# Allegro board 8880F5-0827_txbegin.brd (continued)
## Routing (per net, layer and track width the routed paths; a pad name or vN(x,y) marks a point on that pad's centre or on a via; arc(x,y) is an arc through that point) (continued)
; D123.A14 266.7,56.69 ; D123.A14 266.7,55.07 ; D123.A14 265.89,55.88 ; D431.B8 182.88,379.27 ; D431.B8 182.88,377.65 ; D431.B8 182.07,378.46 ; D431.B8 183.69,378.46 ; D306.B11 407.11,68.58 ; D306.B11 406.4,69.29 ; D306.B11 405.69,68.58 ; D306.B11 406.4,67.87 ; 261.62,75.39 D122.A12 ; D122.A12 262.43,76.2 ; D122.A12 261.62,77.01 ; D122.A12 260.81,76.2 ; 243.13,63.5 D322.A5 ; D322.A5 243.84,62.79 ; D322.A5 243.84,64.21 ; D322.A5 244.55,63.5 ; CSDPS225.B6 261.62,333.55 ; CSDPS225.B6 262.43,332.74 ; CSDPS225.B6 260.81,332.74 ; CSDPS225.B6 261.62,331.93 ; SITE3.G20 252.63,186.91 ; SITE3.G20 252.15,186.43 ; SITE3.G20 252.63,185.95 ; SITE3.G20 253.11,186.43 ; 195.58,57.61 D119.B15 ; D119.B15 195.58,59.23 ; D119.B15 196.39,58.42 ; D119.B15 194.77,58.42 ; 270.97,60.96 D123.B16 ; D123.B16 271.78,60.15 ; D123.B16 272.59,60.96 ; D123.B16 271.78,61.77 ; D321.B7 249.63,88.9 ; D321.B7 248.21,88.9 ; D321.B7 248.92,89.61 ; D321.B7 248.92,88.19 ; D104.B16 345.44,41.45 ; D104.B16 344.63,40.64 ; D104.B16 345.44,39.83 ; D104.B16 346.25,40.64 ; D302.A1 308.05,63.5 ; D302.A1 307.34,62.79 ; D302.A1 307.34,64.21 ; D302.A1 306.63,63.5 ; D103.A3 313.23,53.34 ; D103.A3 312.42,52.53 ; D103.A3 311.61,53.34 ; D103.A3 312.42,54.15 ; SITE4.G19 331.91,186.43 ; SITE4.G19 330.95,186.43 ; SITE4.G19 331.43,185.95 ; SITE4.G19 331.43,186.91 ; D114.B14 314.96,348.79 ; D114.B14 315.77,347.98 ; D114.B14 314.96,347.17 ; D114.B14 314.15,347.98 ; D109.A13 391.16,336.09 ; D109.A13 391.97,335.28 ; D109.A13 390.35,335.28 ; D109.A13 391.16,334.47 ; 184.61,33.02 D120.A11 ; D120.A11 185.42,33.83 ; D120.A11 185.42,32.21 ; D120.A11 186.23,33.02 ; D118.B10 183.69,81.28 ; D118.B10 182.88,80.47 ; D118.B10 182.88,82.09 ; D118.B10 182.07,81.28 ; D107.B3 386.89,58.42 ; D107.B3 385.27,58.42 ; D107.B3 386.08,57.61 ; D107.B3 386.08,59.23 ; D129.A5 97.33,93.98 ; D129.A5 96.52,93.17 ; D129.A5 95.71,93.98 ; D129.A5 96.52,94.79 ; D116.A6 336.09,393.7 ; D116.A6 334.47,393.7 ; D116.A6 335.28,394.51 ; D116.A6 335.28,392.89 ; 101.6,52.53 D131.A7 ; D131.A7 102.41,53.34 ; D131.A7 100.79,53.34 ; D131.A7 101.6,54.15 ; 416.56,83.11 D305.A15 ; D305.A15 417.27,83.82 ; D305.A15 416.56,84.53 ; D305.A15 415.85,83.82 ; D109.A6 408.94,333.55 ; D109.A6 408.94,331.93 ; D109.A6 408.13,332.74 ; D109.A6 409.75,332.74 ; 330.23,245.95 SITE2.G18 ; SITE2.G18 330.71,246.43 ; SITE2.G18 330.23,246.91 ; SITE2.G18 329.75,246.43 ; 332.85,187.93 SITE4.G12 ; SITE4.G12 333.81,187.93 ; SITE4.G12 333.33,188.41 ; SITE4.G12 333.33,187.45 ; D118.B3 165.91,78.74 ; D118.B3 165.1,77.93 ; D118.B3 165.1,79.55 ; D118.B3 164.29,78.74 ; 268.43,33.02 D124.A15 ; D124.A15 269.24,33.83 ; D124.A15 269.24,32.21 ; D124.A15 270.05,33.02 ; 331.93,396.24 D116.A7 ; D116.A7 332.74,395.43 ; D116.A7 332.74,397.05 ; D116.A7 333.55,396.24 ; D110.B4 414.83,347.98 ; D110.B4 414.02,348.79 ; D110.B4 414.02,347.17 ; D110.B4 413.21,347.98 ; 395.53,83.82 D305.A7 ; D305.A7 396.24,83.11 ; D305.A7 396.24,84.53 ; D305.A7 396.95,83.82 ; D125.B14 46.53,101.6 ; D125.B14 44.91,101.6 ; D125.B14 45.72,102.41 ; D125.B14 45.72,100.79 ; 164.29,73.66 D118.A3 ; D118.A3 165.1,72.85 ; D118.A3 165.1,74.47 ; D118.A3 165.91,73.66 ; D132.B13 116.84,38.91 ; D132.B13 117.65,38.1 ; D132.B13 116.03,38.1 ; D132.B13 116.84,37.29 ; D123.B2 237.03,60.96 ; D123.B2 236.22,61.77 ; D123.B2 235.41,60.96 ; D123.B2 236.22,60.15 ; 393.7,331.93 D109.A12 ; D109.A12 394.51,332.74 ; D109.A12 392.89,332.74 ; D109.A12 393.7,333.55 ; D119.A5 170.99,53.34 ; D119.A5 170.18,54.15 ; D119.A5 169.37,53.34 ; D119.A5 170.18,52.53 ; D431.B2 198.12,379.27 ; D431.B2 197.31,378.46 ; D431.B2 198.12,377.65 ; D431.B2 198.93,378.46 ; 190.5,32.21 D120.A13 ; D120.A13 189.69,33.02 ; D120.A13 191.31,33.02 ; D120.A13 190.5,33.83 ; D118.B8 178.61,81.28 ; D118.B8 177.8,80.47 ; D118.B8 177.8,82.09 ; D118.B8 176.99,81.28 ; 385.27,78.74 D106.B3 ; D106.B3 386.08,77.93 ; D106.B3 386.08,79.55 ; D106.B3 386.89,78.74 ; D301.A5 318.21,83.82 ; D301.A5 317.5,83.11 ; D301.A5 317.5,84.53 ; D301.A5 316.79,83.82 ; D306.B14 414.73,71.12 ; D306.B14 413.31,71.12 ; D306.B14 414.02,70.41 ; D306.B14 414.02,71.83 ; 332.63,185.95 SITE4.G20 ; SITE4.G20 332.63,186.91 ; SITE4.G20 333.11,186.43 ; SITE4.G20 332.15,186.43 ; 235.51,86.36 D321.A2 ; D321.A2 236.22,87.07 ; D321.A2 236.93,86.36 ; D321.A2 236.22,85.65 ; 383.54,55.07 D107.A2 ; D107.A2 383.54,56.69 ; D107.A2 382.73,55.88 ; D107.A2 384.35,55.88 ; D231.A5 191.31,375.92 ; D231.A5 190.5,376.73 ; D231.A5 189.69,375.92 ; D231.A5 190.5,375.11 ; 195.58,370.03 D231.B3 ; D231.B3 195.58,371.65 ; D231.B3 196.39,370.84 ; D231.B3 194.77,370.84 ; 482.49,170.56 UNK4U2.4 ; UNK4U2.4 481.55,171.51 ; UNK4U2.4 482.49,172.45 ; UNK4U2.4 483.43,171.51 ; D132.B4 94.79,40.64 ; D132.B4 93.98,41.45 ; D132.B4 93.98,39.83 ; D132.B4 93.17,40.64 ; D112.A15 386.08,397.05 ; D112.A15 386.89,396.24 ; D112.A15 386.08,395.43 ; D112.A15 385.27,396.24 ; D302.B5 318.21,68.58 ; D302.B5 317.5,69.29 ; D302.B5 317.5,67.87 ; D302.B5 316.79,68.58 ; 332.33,247.45 SITE2.G11 ; SITE2.G11 331.85,247.93 ; SITE2.G11 332.81,247.93 ; SITE2.G11 332.33,248.41 ; D110.A15 386.08,356.41 ; D110.A15 386.89,355.6 ; D110.A15 385.27,355.6 ; D110.A15 386.08,354.79 ; 86.36,57.61 D131.B1 ; D131.B1 85.55,58.42 ; D131.B1 86.36,59.23 ; D131.B1 87.17,58.42 ; 263.35,340.36 CSDPS425.C5 ; CSDPS425.C5 264.16,341.17 ; CSDPS425.C5 264.97,340.36 ; CSDPS425.C5 264.16,339.55 ; 197.41,66.04 D318.A16 ; D318.A16 198.83,66.04 ; D318.A16 198.12,66.75 ; D318.A16 198.12,65.33 ; 415.75,58.42 D107.B15 ; D107.B15 417.37,58.42 ; D107.B15 416.56,57.61 ; D107.B15 416.56,59.23 ; 253.29,88.9 D321.B9 ; D321.B9 254.71,88.9 ; D321.B9 254,88.19 ; D321.B9 254,89.61 ; 184.61,78.74 D118.B11 ; D118.B11 185.42,77.93 ; D118.B11 186.23,78.74 ; D118.B11 185.42,79.55 ; SITE4.G1 328.33,181.81 ; SITE4.G1 328.81,181.33 ; SITE4.G1 327.85,181.33 ; SITE4.G1 328.33,180.85 ; D109.B11 397.05,330.2 ; D109.B11 396.24,329.39 ; D109.B11 395.43,330.2 ; D109.B11 396.24,331.01 ; D114.A14 315.77,353.06 ; D114.A14 314.96,352.25 ; D114.A14 314.15,353.06 ; D114.A14 314.96,353.87 ; D306.A11 407.11,63.5 ; D306.A11 406.4,64.21 ; D306.A11 406.4,62.79 ; D306.A11 405.69,63.5 ; 411.48,57.61 D107.B13 ; D107.B13 411.48,59.23 ; D107.B13 410.67,58.42 ; D107.B13 412.29,58.42 ; 111.76,98.25 D129.B11 ; D129.B11 110.95,99.06 ; D129.B11 112.57,99.06 ; D129.B11 111.76,99.87 ; D108.B4 389.43,40.64 ; D108.B4 387.81,40.64 ; D108.B4 388.62,41.45 ; D108.B4 388.62,39.83 ; D127.B4 20.32,61.77 ; D127.B4 21.13,60.96 ; D127.B4 19.51,60.96 ; D127.B4 20.32,60.15 ; D127.B8 31.29,60.96 ; D127.B8 29.67,60.96 ; D127.B8 30.48,61.77 ; D127.B8 30.48,60.15 ; 250.23,245.95 SITE1.G18 ; SITE1.G18 249.75,246.43 ; SITE1.G18 250.23,246.91 ; SITE1.G18 250.71,246.43 ; 105.87,53.34 D131.A9 ; D131.A9 106.68,52.53 ; D131.A9 107.49,53.34 ; D131.A9 106.68,54.15 ; 44.91,60.96 D127.B14 ; D127.B14 45.72,60.15 ; D127.B14 45.72,61.77 ; D127.B14 46.53,60.96 ; 383.54,39.83 D108.B2 ; D108.B2 384.35,40.64 ; D108.B2 383.54,41.45 ; D108.B2 382.73,40.64 ; D122.B3 239.57,78.74 ; D122.B3 237.95,78.74 ; D122.B3 238.76,77.93 ; D122.B3 238.76,79.55 ; 254,77.93 D122.B9 ; D122.B9 254.81,78.74 ; D122.B9 254,79.55 ; D122.B9 253.19,78.74 ; 162.56,367.49 D231.B16 ; D231.B16 162.56,369.11 ; D231.B16 161.75,368.3 ; D231.B16 163.37,368.3 ; D103.B14 340.36,61.77 ; D103.B14 340.36,60.15 ; D103.B14 339.55,60.96 ; D103.B14 341.17,60.96 ; D104.A7 323.39,33.02 ; D104.A7 321.77,33.02 ; D104.A7 322.58,32.21 ; D104.A7 322.58,33.83 ; 187.25,66.04 D318.A12 ; D318.A12 187.96,66.75 ; D318.A12 188.67,66.04 ; D318.A12 187.96,65.33 ; 391.16,13.16 DPS1.A05 ; DPS1.A05 391.97,13.97 ; DPS1.A05 390.35,13.97 ; DPS1.A05 391.16,14.78 ; D106.A7 397.05,73.66 ; D106.A7 396.24,74.47 ; D106.A7 395.43,73.66 ; D106.A7 396.24,72.85 ; 190.5,67.87 D318.B13 ; D318.B13 189.79,68.58 ; D318.B13 190.5,69.29 ; D318.B13 191.21,68.58 ; 93.98,60.15 D131.B4 ; D131.B4 93.98,61.77 ; D131.B4 93.17,60.96 ; D131.B4 94.79,60.96 ; 335.28,90.73 D301.B12 ; D301.B12 335.99,91.44 ; D301.B12 335.28,92.15 ; D301.B12 334.57,91.44 ; 166.83,60.96 D119.B4 ; D119.B4 167.64,60.15 ; D119.B4 167.64,61.77 ; D119.B4 168.45,60.96 ; D132.A1 86.36,33.83 ; D132.A1 86.36,32.21 ; D132.A1 87.17,33.02 ; D132.A1 85.55,33.02 ; 246.38,90.73 D321.B6 ; D321.B6 245.67,91.44 ; D321.B6 246.38,92.15 ; D321.B6 247.09,91.44 ; D130.A6 99.87,76.2 ; D130.A6 98.25,76.2 ; D130.A6 99.06,75.39 ; D130.A6 99.06,77.01 ; D103.A7 322.58,54.15 ; D103.A7 323.39,53.34 ; D103.A7 321.77,53.34 ; D103.A7 322.58,52.53 ; 33.02,93.17 D125.A9 ; D125.A9 33.83,93.98 ; D125.A9 32.21,93.98 ; D125.A9 33.02,94.79 ; 413.31,66.04 D306.A14 ; D306.A14 414.73,66.04 ; D306.A14 414.02,66.75 ; D306.A14 414.02,65.33 ; D322.B10 256.54,71.83 ; D322.B10 256.54,70.41 ; D322.B10 255.83,71.12 ; D322.B10 257.25,71.12 ; 111.76,32.21 D132.A11 ; D132.A11 111.76,33.83 ; D132.A11 110.95,33.02 ; D132.A11 112.57,33.02 ; D114.A9 327.66,356.41 ; D114.A9 328.47,355.6 ; D114.A9 326.85,355.6 ; D114.A9 327.66,354.79 ; 414.02,352.25 D110.A4 ; D110.A4 414.02,353.87 ; D110.A4 413.21,353.06 ; D110.A4 414.83,353.06 ; 88.09,76.2 D130.A2 ; D130.A2 88.9,75.39 ; D130.A2 88.9,77.01 ; D130.A2 89.71,76.2 ; D125.A6 25.4,97.33 ; D125.A6 24.59,96.52 ; D125.A6 25.4,95.71 ; D125.A6 26.21,96.52 ; 175.26,67.87 D318.B7 ; D318.B7 175.97,68.58 ; D318.B7 175.26,69.29 ; D318.B7 174.55,68.58 ; DPS8.A15 165.1,416.1 ; DPS8.A15 165.91,415.29 ; DPS8.A15 164.29,415.29 ; DPS8.A15 165.1,414.48 ; 198.12,367.49 D231.B2 ; D231.B2 197.31,368.3 ; D231.B2 198.12,369.11 ; D231.B2 198.93,368.3 ; DPS1.C05 391.16,19.86 ; DPS1.C05 390.35,19.05 ; DPS1.C05 391.97,19.05 ; DPS1.C05 391.16,18.24 ; D119.A13 191.31,53.34 ; D119.A13 190.5,54.15 ; D119.A13 189.69,53.34 ; D119.A13 190.5,52.53 ; D112.B14 389.43,388.62 ; D112.B14 387.81,388.62 ; D112.B14 388.62,387.81 ; D112.B14 388.62,389.43 ; D322.B15 269.24,69.29 ; D322.B15 268.53,68.58 ; D322.B15 269.95,68.58 ; D322.B15 269.24,67.87 ; D103.A12 335.28,56.69 ; D103.A12 334.47,55.88 ; D103.A12 336.09,55.88 ; D103.A12 335.28,55.07 ; D104.A3 312.42,33.83 ; D104.A3 313.23,33.02 ; D104.A3 312.42,32.21 ; D104.A3 311.61,33.02 ; D102.B8 325.12,82.09 ; D102.B8 325.93,81.28 ; D102.B8 324.31,81.28 ; D102.B8 325.12,80.47 ; SITE2.G16 333.11,242.83 ; SITE2.G16 332.63,242.35 ; SITE2.G16 332.63,243.31 ; SITE2.G16 332.15,242.83 ; 405.59,330.2 D109.B7 ; D109.B7 406.4,331.01 ; D109.B7 407.21,330.2 ; D109.B7 406.4,329.39 ; 198.12,80.47 D118.B16 ; D118.B16 197.31,81.28 ; D118.B16 198.93,81.28 ; D118.B16 198.12,82.09 ; 48.26,57.61 D127.B15 ; D127.B15 47.45,58.42 ; D127.B15 49.07,58.42 ; D127.B15 48.26,59.23 ; 383.54,387.81 D112.B16 ; D112.B16 382.73,388.62 ; D112.B16 383.54,389.43 ; D112.B16 384.35,388.62 ; 312.42,409.4 DPS2.C15 ; DPS2.C15 312.42,411.02 ; DPS2.C15 311.61,410.21 ; DPS2.C15 313.23,410.21 ; 388.62,392.89 D112.A14 ; D112.A14 389.43,393.7 ; D112.A14 388.62,394.51 ; D112.A14 387.81,393.7 ; 108.41,35.56 D132.A10 ; D132.A10 109.22,36.37 ; D132.A10 109.22,34.75 ; D132.A10 110.03,35.56 ; D302.A15 342.9,64.21 ; D302.A15 342.9,62.79 ; D302.A15 343.61,63.5 ; D302.A15 342.19,63.5 ; 45.72,34.75 D128.A14 ; D128.A14 45.72,36.37 ; D128.A14 44.91,35.56 ; D128.A14 46.53,35.56 ; 85.55,78.74 D130.B1 ; D130.B1 87.17,78.74 ; D130.B1 86.36,79.55 ; D130.B1 86.36,77.93 ; D122.A3 238.76,74.47 ; D122.A3 237.95,73.66 ; D122.A3 239.57,73.66 ; D122.A3 238.76,72.85 ; D106.B16 419.91,81.28 ; D106.B16 418.29,81.28 ; D106.B16 419.1,80.47 ; D106.B16 419.1,82.09 ; 86.36,93.17 D129.A1 ; D129.A1 86.36,94.79 ; D129.A1 87.17,93.98 ; D129.A1 85.55,93.98 ; 48.26,37.29 D128.B15 ; D128.B15 49.07,38.1 ; D128.B15 47.45,38.1 ; D128.B15 48.26,38.91 ; D119.B9 181.15,58.42 ; D119.B9 180.34,57.61 ; D119.B9 179.53,58.42 ; D119.B9 180.34,59.23 ; 170.18,385.27 D431.A13 ; D431.A13 170.99,386.08 ; D431.A13 169.37,386.08 ; D431.A13 170.18,386.89 ; D115.B4 340.36,369.11 ; D115.B4 340.36,367.49 ; D115.B4 341.17,368.3 ; D115.B4 339.55,368.3 ; 320.04,75.39 D102.A6 ; D102.A6 320.04,77.01 ; D102.A6 320.85,76.2 ; D102.A6 319.23,76.2 ; D109.B16 384.35,327.66 ; D109.B16 383.54,326.85 ; D109.B16 382.73,327.66 ; D109.B16 383.54,328.47 ; 176.99,55.88 D119.A8 ; D119.A8 178.61,55.88 ; D119.A8 177.8,55.07 ; D119.A8 177.8,56.69 ; 316.69,391.16 D116.B13 ; D116.B13 317.5,391.97 ; D116.B13 318.31,391.16 ; D116.B13 317.5,390.35 ; 382.73,373.38 D111.A16 ; D111.A16 383.54,374.19 ; D111.A16 383.54,372.57 ; D111.A16 384.35,373.38 ; D305.B12 409.65,91.44 ; D305.B12 408.94,92.15 ; D305.B12 408.94,90.73 ; D305.B12 408.23,91.44 ; 334.47,368.3 D115.B6 ; D115.B6 335.28,367.49 ; D115.B6 336.09,368.3 ; D115.B6 335.28,369.11 ; 342.09,350.52 D114.B3 ; D114.B3 342.9,349.71 ; D114.B3 342.9,351.33 ; D114.B3 343.71,350.52 ; 319.23,368.3 D115.B12 ; D115.B12 320.04,369.11 ; D115.B12 320.04,367.49 ; D115.B12 320.85,368.3 ; D118.A5 170.18,74.47 ; D118.A5 170.99,73.66 ; D118.A5 170.18,72.85 ; D118.A5 169.37,73.66 ; 248.92,72.85 D122.A7 ; D122.A7 248.11,73.66 ; D122.A7 249.73,73.66 ; D122.A7 248.92,74.47 ; D128.B7 28.75,38.1 ; D128.B7 27.94,38.91 ; D128.B7 27.13,38.1 ; D128.B7 27.94,37.29 ; D127.B11 38.1,59.23 ; D127.B11 38.1,57.61 ; D127.B11 37.29,58.42 ; D127.B11 38.91,58.42 ; 314.15,35.56 D104.A4 ; D104.A4 314.96,36.37 ; D104.A4 314.96,34.75 ; D104.A4 315.77,35.56 ; DPS3.C15 270.05,19.05 ; DPS3.C15 268.43,19.05 ; DPS3.C15 269.24,19.86 ; DPS3.C15 269.24,18.24 ; D124.A14 267.51,35.56 ; D124.A14 266.7,36.37 ; D124.A14 266.7,34.75 ; D124.A14 265.89,35.56 ; 332.63,182.35 SITE4.G16 ; SITE4.G16 332.15,182.83 ; SITE4.G16 332.63,183.31 ; SITE4.G16 333.11,182.83 ; D125.A4 21.13,96.52 ; D125.A4 20.32,95.71 ; D125.A4 19.51,96.52 ; D125.A4 20.32,97.33 ; 416.56,370.03 D111.B3 ; D111.B3 415.75,370.84 ; D111.B3 416.56,371.65 ; D111.B3 417.37,370.84 ; SITE3.G15 251.43,183.31 ; SITE3.G15 251.91,182.83 ; SITE3.G15 251.43,182.35 ; SITE3.G15 250.95,182.83 ; 395.43,335.28 D109.A11 ; D109.A11 396.24,334.47 ; D109.A11 396.24,336.09 ; D109.A11 397.05,335.28 ; D126.B13 43.99,78.74 ; D126.B13 43.18,79.55 ; D126.B13 43.18,77.93 ; D126.B13 42.37,78.74 ; CSDPS225.C13 243.84,331.01 ; CSDPS225.C13 244.65,330.2 ; CSDPS225.C13 243.03,330.2 ; CSDPS225.C13 243.84,329.39 ; 193.04,70.41 D318.B14 ; D318.B14 193.04,71.83 ; D318.B14 192.33,71.12 ; D318.B14 193.75,71.12 ; 388.62,352.25 D110.A14 ; D110.A14 389.43,353.06 ; D110.A14 387.81,353.06 ; D110.A14 388.62,353.87 ; D305.B5 391.16,89.61 ; D305.B5 390.45,88.9 ; D305.B5 391.16,88.19 ; D305.B5 391.87,88.9 ; 332.33,187.45 SITE4.G11 ; SITE4.G11 332.33,188.41 ; SITE4.G11 331.85,187.93 ; SITE4.G11 332.81,187.93 ; 111.76,57.61 D131.B11 ; D131.B11 110.95,58.42 ; D131.B11 111.76,59.23 ; D131.B11 112.57,58.42 ; 331.33,247.45 SITE2.G10 ; SITE2.G10 331.33,248.41 ; SITE2.G10 331.81,247.93 ; SITE2.G10 330.85,247.93 ; 330.33,180.85 SITE4.G3 ; SITE4.G3 330.81,181.33 ; SITE4.G3 329.85,181.33 ; SITE4.G3 330.33,181.81 ; SITE4.G2 329.33,181.81 ; SITE4.G2 329.81,181.33 ; SITE4.G2 328.85,181.33 ; SITE4.G2 329.33,180.85 ; D302.A5 317.5,64.21 ; D302.A5 317.5,62.79 ; D302.A5 316.79,63.5 ; D302.A5 318.21,63.5 ; 309.17,66.04 D302.A2 ; D302.A2 310.59,66.04 ; D302.A2 309.88,66.75 ; D302.A2 309.88,65.33 ; D106.B10 404.67,81.28 ; D106.B10 403.86,82.09 ; D106.B10 403.05,81.28 ; D106.B10 403.86,80.47 ; D119.B8 177.8,61.77 ; D119.B8 178.61,60.96 ; D119.B8 176.99,60.96 ; D119.B8 177.8,60.15 ; SITE1.G7 248.33,248.41 ; SITE1.G7 248.81,247.93 ; SITE1.G7 248.33,247.45 ; SITE1.G7 247.85,247.93 ; D306.A13 412.19,63.5 ; D306.A13 411.48,62.79 ; D306.A13 410.77,63.5 ; D306.A13 411.48,64.21 ; 16.97,78.74 D126.B3 ; D126.B3 17.78,79.55 ; D126.B3 17.78,77.93 ; D126.B3 18.59,78.74 ; D113.B7 332.74,331.01 ; D113.B7 333.55,330.2 ; D113.B7 331.93,330.2 ; D113.B7 332.74,329.39 ; D104.B10 331.01,40.64 ; D104.B10 330.2,39.83 ; D104.B10 329.39,40.64 ; D104.B10 330.2,41.45 ; D131.A13 116.84,54.15 ; D131.A13 116.03,53.34 ; D131.A13 117.65,53.34 ; D131.A13 116.84,52.53 ; 197.31,35.56 D120.A16 ; D120.A16 198.93,35.56 ; D120.A16 198.12,34.75 ; D120.A16 198.12,36.37 ; D102.A16 345.44,77.01 ; D102.A16 344.63,76.2 ; D102.A16 345.44,75.39 ; D102.A16 346.25,76.2 ; D102.A15 343.71,73.66 ; D102.A15 342.9,72.85 ; D102.A15 342.9,74.47 ; D102.A15 342.09,73.66 ; 326.85,375.92 D115.A9 ; D115.A9 327.66,376.73 ; D115.A9 327.66,375.11 ; D115.A9 328.47,375.92 ; 337.01,355.6 D114.A5 ; D114.A5 337.82,356.41 ; D114.A5 337.82,354.79 ; D114.A5 338.63,355.6 ; 337.82,334.47 D113.A5 ; D113.A5 337.01,335.28 ; D113.A5 337.82,336.09 ; D113.A5 338.63,335.28 ; 418.39,66.04 D306.A16 ; D306.A16 419.1,65.33 ; D306.A16 419.1,66.75 ; D306.A16 419.81,66.04 ; SITE1.G17 249.51,246.43 ; SITE1.G17 249.03,246.91 ; SITE1.G17 248.55,246.43 ; SITE1.G17 249.03,245.95 ; 324.31,368.3 D115.B10 ; D115.B10 325.12,369.11 ; D115.B10 325.93,368.3 ; D115.B10 325.12,367.49 ; 416.56,88.19 D305.B15 ; D305.B15 417.27,88.9 ; D305.B15 415.85,88.9 ; D305.B15 416.56,89.61 ; 182.07,342.9 CSDPS429.B8 ; CSDPS429.B8 182.88,342.09 ; CSDPS429.B8 183.69,342.9 ; CSDPS429.B8 182.88,343.71 ; D302.A11 333.45,63.5 ; D302.A11 332.74,64.21 ; D302.A11 332.74,62.79 ; D302.A11 332.03,63.5 ; 309.88,60.15 D103.B2 ; D103.B2 310.69,60.96 ; D103.B2 309.07,60.96 ; D103.B2 309.88,61.77 ; 114.3,95.71 D129.A12 ; D129.A12 113.49,96.52 ; D129.A12 115.11,96.52 ; D129.A12 114.3,97.33 ; 256.54,85.65 D321.A10 ; D321.A10 256.54,87.07 ; D321.A10 257.25,86.36 ; D321.A10 255.83,86.36 ; 116.03,78.74 D130.B13 ; D130.B13 117.65,78.74 ; D130.B13 116.84,77.93 ; D130.B13 116.84,79.55 ; 166.83,76.2 D118.A4 ; D118.A4 167.64,77.01 ; D118.A4 168.45,76.2 ; D118.A4 167.64,75.39 ; D111.B8 404.67,368.3 ; D111.B8 403.86,369.11 ; D111.B8 403.86,367.49 ; D111.B8 403.05,368.3 ; SITE4.G17 329.51,186.43 ; SITE4.G17 328.55,186.43 ; SITE4.G17 329.03,185.95 ; SITE4.G17 329.03,186.91 ; 198.12,382.73 D431.A2 ; D431.A2 198.93,383.54 ; D431.A2 197.31,383.54 ; D431.A2 198.12,384.35 ; D302.A4 314.96,66.75 ; D302.A4 315.67,66.04 ; D302.A4 314.25,66.04 ; D302.A4 314.96,65.33 ; 326.85,38.1 D104.B9 ; D104.B9 327.66,38.91 ; D104.B9 327.66,37.29 ; D104.B9 328.47,38.1 ; D317.B1 160.73,88.9 ; D317.B1 160.02,89.61 ; D317.B1 160.02,88.19 ; D317.B1 159.31,88.9 ; D116.A4 341.17,393.7 ; D116.A4 340.36,394.51 ; D116.A4 339.55,393.7 ; D116.A4 340.36,392.89 ; D128.A12 40.64,36.37 ; D128.A12 41.45,35.56 ; D128.A12 39.83,35.56 ; D128.A12 40.64,34.75 ; D318.B5 170.89,68.58 ; D318.B5 169.47,68.58 ; D318.B5 170.18,69.29 ; D318.B5 170.18,67.87 ; D306.B10 404.57,71.12 ; D306.B10 403.86,70.41 ; D306.B10 403.15,71.12 ; D306.B10 403.86,71.83 ; D126.B12 41.45,81.28 ; D126.B12 39.83,81.28 ; D126.B12 40.64,82.09 ; D126.B12 40.64,80.47 ; 269.24,329.39 CSDPS225.C3 ; CSDPS225.C3 269.24,331.01 ; CSDPS225.C3 270.05,330.2 ; CSDPS225.C3 268.43,330.2 ; D127.A12 41.45,55.88 ; D127.A12 40.64,56.69 ; D127.A12 40.64,55.07 ; D127.A12 39.83,55.88 ; 395.43,78.74 D106.B7 ; D106.B7 397.05,78.74 ; D106.B7 396.24,77.93 ; D106.B7 396.24,79.55 ; 395.43,370.84 D111.B11 ; D111.B11 397.05,370.84 ; D111.B11 396.24,370.03 ; D111.B11 396.24,371.65 ; D112.B9 402.13,391.16 ; D112.B9 400.51,391.16 ; D112.B9 401.32,391.97 ; D112.B9 401.32,390.35 ; 392.89,388.62 D112.B12 ; D112.B12 394.51,388.62 ; D112.B12 393.7,387.81 ; D112.B12 393.7,389.43 ; D132.B7 102.41,38.1 ; D132.B7 101.6,38.91 ; D132.B7 100.79,38.1 ; D132.B7 101.6,37.29 ; 119.38,75.39 D130.A14 ; D130.A14 118.57,76.2 ; D130.A14 119.38,77.01 ; D130.A14 120.19,76.2 ; 405.69,88.9 D305.B11 ; D305.B11 406.4,89.61 ; D305.B11 407.11,88.9 ; D305.B11 406.4,88.19 ; D104.B5 318.31,38.1 ; D104.B5 316.69,38.1 ; D104.B5 317.5,38.91 ; D104.B5 317.5,37.29 ; 161.75,81.28 D118.B2 ; D118.B2 162.56,82.09 ; D118.B2 163.37,81.28 ; D118.B2 162.56,80.47 ; D126.B2 16.05,81.28 ; D126.B2 15.24,82.09 ; D126.B2 15.24,80.47 ; D126.B2 14.43,81.28 ; D116.B9 328.47,391.16 ; D116.B9 326.85,391.16 ; D116.B9 327.66,391.97 ; D116.B9 327.66,390.35 ; D124.B3 239.57,38.1 ; D124.B3 238.76,37.29 ; D124.B3 238.76,38.91 ; D124.B3 237.95,38.1 ; 182.17,86.36 D317.A10 ; D317.A10 183.59,86.36 ; D317.A10 182.88,85.65 ; D317.A10 182.88,87.07 ; 85.55,73.66 D130.A1 ; D130.A1 87.17,73.66 ; D130.A1 86.36,74.47 ; D130.A1 86.36,72.85 ; 187.25,91.44 D317.B12 ; D317.B12 187.96,90.73 ; D317.B12 188.67,91.44 ; D317.B12 187.96,92.15 ; D129.B8 104.95,101.6 ; D129.B8 103.33,101.6 ; D129.B8 104.14,100.79 ; D129.B8 104.14,102.41 ; 324.41,91.44 D301.B8 ; D301.B8 325.83,91.44 ; D301.B8 325.12,92.15 ; D301.B8 325.12,90.73 ; CSDPS229.C13 170.99,330.2 ; CSDPS229.C13 170.18,329.39 ; CSDPS229.C13 169.37,330.2 ; CSDPS229.C13 170.18,331.01 ; D302.B13 338.53,68.58 ; D302.B13 337.11,68.58 ; D302.B13 337.82,67.87 ; D302.B13 337.82,69.29 ; D317.B4 167.64,92.15 ; D317.B4 168.35,91.44 ; D317.B4 167.64,90.73 ; D317.B4 166.93,91.44 ; D318.B6 172.72,71.83 ; D318.B6 172.01,71.12 ; D318.B6 172.72,70.41 ; D318.B6 173.43,71.12 ; 418.29,332.74 D109.A2 ; D109.A2 419.1,333.55 ; D109.A2 419.91,332.74 ; D109.A2 419.1,331.93 ; D129.B7 101.6,99.87 ; D129.B7 102.41,99.06 ; D129.B7 100.79,99.06 ; D129.B7 101.6,98.25 ; 397.97,347.98 D110.B10 ; D110.B10 398.78,347.17 ; D110.B10 399.59,347.98 ; D110.B10 398.78,348.79 ; 96.52,32.21 D132.A5 ; D132.A5 97.33,33.02 ; D132.A5 95.71,33.02 ; D132.A5 96.52,33.83 ; 405.69,83.82 D305.A11 ; D305.A11 407.11,83.82 ; D305.A11 406.4,83.11 ; D305.A11 406.4,84.53 ; 264.16,67.87 D322.B13 ; D322.B13 263.45,68.58 ; D322.B13 264.16,69.29 ; D322.B13 264.87,68.58 ; 337.01,415.29 DPS2.A05 ; DPS2.A05 337.82,416.1 ; DPS2.A05 338.63,415.29 ; DPS2.A05 337.82,414.48 ; D111.B2 419.91,368.3 ; D111.B2 419.1,369.11 ; D111.B2 419.1,367.49 ; D111.B2 418.29,368.3 ; 194.77,53.34 D119.A15 ; D119.A15 196.39,53.34 ; D119.A15 195.58,54.15 ; D119.A15 195.58,52.53 ; 247.85,187.93 SITE3.G7 ; SITE3.G7 248.81,187.93 ; SITE3.G7 248.33,187.45 ; SITE3.G7 248.33,188.41 ; D125.A2 15.24,97.33 ; D125.A2 14.43,96.52 ; D125.A2 15.24,95.71 ; D125.A2 16.05,96.52 ; D116.B11 323.39,391.16 ; D116.B11 321.77,391.16 ; D116.B11 322.58,390.35 ; D116.B11 322.58,391.97 ; DPS3.C05 244.65,19.05 ; DPS3.C05 243.84,19.86 ; DPS3.C05 243.03,19.05 ; DPS3.C05 243.84,18.24 ; 337.82,370.03 D115.B5 ; D115.B5 337.82,371.65 ; D115.B5 338.63,370.84 ; D115.B5 337.01,370.84 ; D115.B8 330.2,369.11 ; D115.B8 331.01,368.3 ; D115.B8 329.39,368.3 ; D115.B8 330.2,367.49 ; 235.41,40.64 D124.B2 ; D124.B2 237.03,40.64 ; D124.B2 236.22,41.45 ; D124.B2 236.22,39.83 ; D127.A6 26.21,55.88 ; D127.A6 24.59,55.88 ; D127.A6 25.4,56.69 ; D127.A6 25.4,55.07 ; 403.86,55.07 D107.A10 ; D107.A10 404.67,55.88 ; D107.A10 403.05,55.88 ; D107.A10 403.86,56.69 ; 320.04,387.81 D116.B12 ; D116.B12 320.04,389.43 ; D116.B12 319.23,388.62 ; D116.B12 320.85,388.62 ; 50.8,100.79 D125.B16 ; D125.B16 50.8,102.41 ; D125.B16 49.99,101.6 ; D125.B16 51.61,101.6 ; D301.A7 322.58,84.53 ; D301.A7 321.87,83.82 ; D301.A7 323.29,83.82 ; D301.A7 322.58,83.11 ; DPS1.C11 407.21,19.05 ; DPS1.C11 406.4,19.86 ; DPS1.C11 406.4,18.24 ; DPS1.C11 405.59,19.05 ; D125.B2 16.05,101.6 ; D125.B2 15.24,100.79 ; D125.B2 14.43,101.6 ; D125.B2 15.24,102.41 ; D130.B11 111.76,79.55 ; D130.B11 112.57,78.74 ; D130.B11 110.95,78.74 ; D130.B11 111.76,77.93 ; 70.61,208.1 S1_I2C.4 ; S1_I2C.4 69.67,209.04 ; S1_I2C.4 71.55,209.04 ; S1_I2C.4 70.61,209.98 ; 184.71,83.82 D317.A11 ; D317.A11 185.42,84.53 ; D317.A11 185.42,83.11 ; D317.A11 186.13,83.82 ; D111.B9 401.32,371.65 ; D111.B9 400.51,370.84 ; D111.B9 401.32,370.03 ; D111.B9 402.13,370.84 ; D317.A3 165.1,84.53 ; D317.A3 165.1,83.11 ; D317.A3 165.81,83.82 ; D317.A3 164.39,83.82 ; 390.35,391.16 D112.B13 ; D112.B13 391.16,391.97 ; D112.B13 391.16,390.35 ; D112.B13 391.97,391.16 ; 344.63,327.66 D113.B2 ; D113.B2 346.25,327.66 ; D113.B2 345.44,326.85 ; D113.B2 345.44,328.47 ; 266.7,90.73 D321.B14 ; D321.B14 265.99,91.44 ; D321.B14 267.41,91.44 ; D321.B14 266.7,92.15 ; D108.A14 414.02,36.37 ; D108.A14 414.83,35.56 ; D108.A14 414.02,34.75 ; D108.A14 413.21,35.56 ; 159.31,68.58 D318.B1 ; D318.B1 160.02,69.29 ; D318.B1 160.73,68.58 ; D318.B1 160.02,67.87 ; D112.A8 404.67,393.7 ; D112.A8 403.05,393.7 ; D112.A8 403.86,392.89 ; D112.A8 403.86,394.51 ; 177.8,70.41 D318.B8 ; D318.B8 177.09,71.12 ; D318.B8 177.8,71.83 ; D318.B8 178.51,71.12 ; 258.27,13.97 DPS3.A11 ; DPS3.A11 259.89,13.97 ; DPS3.A11 259.08,14.78 ; DPS3.A11 259.08,13.16 ; 306.63,68.58 D302.B1 ; D302.B1 307.34,69.29 ; D302.B1 307.34,67.87 ; D302.B1 308.05,68.58 ; D115.A15 313.23,375.92 ; D115.A15 311.61,375.92 ; D115.A15 312.42,375.11 ; D115.A15 312.42,376.73 ; 232.87,38.1 D124.B1 ; D124.B1 233.68,38.91 ; D124.B1 234.49,38.1 ; D124.B1 233.68,37.29 ; 175.26,62.79 D318.A7 ; D318.A7 175.97,63.5 ; D318.A7 175.26,64.21 ; D318.A7 174.55,63.5 ; 30.48,80.47 D126.B8 ; D126.B8 31.29,81.28 ; D126.B8 29.67,81.28 ; D126.B8 30.48,82.09 ; D114.B6 335.28,348.79 ; D114.B6 334.47,347.98 ; D114.B6 336.09,347.98 ; D114.B6 335.28,347.17 ; 160.02,77.93 D118.B1 ; D118.B1 159.21,78.74 ; D118.B1 160.02,79.55 ; D118.B1 160.83,78.74 ; 408.94,387.81 D112.B6 ; D112.B6 408.94,389.43 ; D112.B6 408.13,388.62 ; D112.B6 409.75,388.62 ; SITE4.G10 331.81,187.93 ; SITE4.G10 330.85,187.93 ; SITE4.G10 331.33,188.41 ; SITE4.G10 331.33,187.45 ; 110.95,93.98 D129.A11 ; D129.A11 111.76,94.79 ; D129.A11 112.57,93.98 ; D129.A11 111.76,93.17 ; D120.B12 187.96,41.45 ; D120.B12 188.77,40.64 ; D120.B12 187.15,40.64 ; D120.B12 187.96,39.83 ; 382.73,81.28 D106.B2 ; D106.B2 383.54,82.09 ; D106.B2 383.54,80.47 ; D106.B2 384.35,81.28 ; SITE4.G4 331.81,181.33 ; SITE4.G4 330.85,181.33 ; SITE4.G4 331.33,181.81 ; SITE4.G4 331.33,180.85 ; D123.B11 259.89,58.42 ; D123.B11 259.08,57.61 ; D123.B11 259.08,59.23 ; D123.B11 258.27,58.42 ; D120.A4 168.45,35.56 ; D120.A4 167.64,36.37 ; D120.A4 167.64,34.75 ; D120.A4 166.83,35.56 ; 324.31,388.62 D116.B10 ; D116.B10 325.12,387.81 ; D116.B10 325.93,388.62 ; D116.B10 325.12,389.43 ; D322.B6 246.38,71.83 ; D322.B6 245.67,71.12 ; D322.B6 246.38,70.41 ; D322.B6 247.09,71.12 ; 187.96,367.49 D231.B6 ; D231.B6 187.15,368.3 ; D231.B6 188.77,368.3 ; D231.B6 187.96,369.11 ; D114.A4 340.36,353.87 ; D114.A4 341.17,353.06 ; D114.A4 340.36,352.25 ; D114.A4 339.55,353.06 ; 17.78,32.21 D128.A3 ; D128.A3 17.78,33.83 ; D128.A3 18.59,33.02 ; D128.A3 16.97,33.02 ; 408.13,393.7 D112.A6 ; D112.A6 409.75,393.7 ; D112.A6 408.94,394.51 ; D112.A6 408.94,392.89 ; CSDPS225.B2 271.78,333.55 ; CSDPS225.B2 272.59,332.74 ; CSDPS225.B2 271.78,331.93 ; CSDPS225.B2 270.97,332.74 ; D301.A2 309.88,87.07 ; D301.A2 310.59,86.36 ; D301.A2 309.17,86.36 ; D301.A2 309.88,85.65 ; D322.B14 266.7,71.83 ; D322.B14 266.7,70.41 ; D322.B14 265.99,71.12 ; D322.B14 267.41,71.12 ; 411.48,329.39 D109.B5 ; D109.B5 411.48,331.01 ; D109.B5 412.29,330.2 ; D109.B5 410.67,330.2 ; D119.A16 198.93,55.88 ; D119.A16 197.31,55.88 ; D119.A16 198.12,55.07 ; D119.A16 198.12,56.69 ; D125.B13 43.18,99.87 ; D125.B13 42.37,99.06 ; D125.B13 43.18,98.25 ; D125.B13 43.99,99.06 ; 104.14,80.47 D130.B8 ; D130.B8 104.95,81.28 ; D130.B8 104.14,82.09 ; D130.B8 103.33,81.28 ; D127.A2 16.05,55.88 ; D127.A2 15.24,56.69 ; D127.A2 15.24,55.07 ; D127.A2 14.43,55.88 ; D126.B9 33.83,78.74 ; D126.B9 33.02,77.93 ; D126.B9 32.21,78.74 ; D126.B9 33.02,79.55 ; D318.B3 165.81,68.58 ; D318.B3 164.39,68.58 ; D318.B3 165.1,69.29 ; D318.B3 165.1,67.87 ; D131.B7 101.6,59.23 ; D131.B7 102.41,58.42 ; D131.B7 101.6,57.61 ; D131.B7 100.79,58.42 ; D317.A9 180.34,84.53 ; D317.A9 179.63,83.82 ; D317.A9 181.05,83.82 ; D317.A9 180.34,83.11 ; D118.B15 195.58,79.55 ; D118.B15 196.39,78.74 ; D118.B15 194.77,78.74 ; D118.B15 195.58,77.93 ; CSDPS225.B16 236.22,333.55 ; CSDPS225.B16 237.03,332.74 ; CSDPS225.B16 236.22,331.93 ; CSDPS225.B16 235.41,332.74 ; 184.61,58.42 D119.B11 ; D119.B11 185.42,57.61 ; D119.B11 186.23,58.42 ; D119.B11 185.42,59.23 ; 319.33,71.12 D302.B6 ; D302.B6 320.04,71.83 ; D302.B6 320.75,71.12 ; D302.B6 320.04,70.41 ; D318.B11 185.42,69.29 ; D318.B11 184.71,68.58 ; D318.B11 186.13,68.58 ; D318.B11 185.42,67.87 ; D125.A16 51.61,96.52 ; D125.A16 50.8,97.33 ; D125.A16 50.8,95.71 ; D125.A16 49.99,96.52 ; 395.43,355.6 D110.A11 ; D110.A11 397.05,355.6 ; D110.A11 396.24,354.79 ; D110.A11 396.24,356.41 ; D120.B14 193.85,40.64 ; D120.B14 193.04,41.45 ; D120.B14 193.04,39.83 ; D120.B14 192.23,40.64 ; 248.11,58.42 D123.B7 ; D123.B7 248.92,57.61 ; D123.B7 249.73,58.42 ; D123.B7 248.92,59.23 ; 382.83,91.44 D305.B2 ; D305.B2 383.54,92.15 ; D305.B2 384.25,91.44 ; D305.B2 383.54,90.73 ; CSDPS429.B16 163.37,342.9 ; CSDPS429.B16 162.56,343.71 ; CSDPS429.B16 162.56,342.09 ; CSDPS429.B16 161.75,342.9 ; D129.A7 102.41,93.98 ; D129.A7 100.79,93.98 ; D129.A7 101.6,93.17 ; D129.A7 101.6,94.79 ; 189.79,83.82 D317.A13 ; D317.A13 191.21,83.82 ; D317.A13 190.5,83.11 ; D317.A13 190.5,84.53 ; 383.54,367.49 D111.B16 ; D111.B16 384.35,368.3 ; D111.B16 383.54,369.11 ; D111.B16 382.73,368.3 ; 49.99,55.88 D127.A16 ; D127.A16 50.8,56.69 ; D127.A16 51.61,55.88 ; D127.A16 50.8,55.07 ; D104.B12 336.09,40.64 ; D104.B12 334.47,40.64 ; D104.B12 335.28,39.83 ; D104.B12 335.28,41.45 ; D113.B9 328.47,330.2 ; D113.B9 326.85,330.2 ; D113.B9 327.66,331.01 ; D113.B9 327.66,329.39 ; 121.92,37.29 D132.B15 ; D132.B15 121.92,38.91 ; D132.B15 122.73,38.1 ; D132.B15 121.11,38.1 ; 347.17,335.28 D113.A1 ; D113.A1 347.98,336.09 ; D113.A1 348.79,335.28 ; D113.A1 347.98,334.47 ; 342.9,390.35 D116.B3 ; D116.B3 343.71,391.16 ; D116.B3 342.9,391.97 ; D116.B3 342.09,391.16 ; D132.A12 114.3,36.37 ; D132.A12 115.11,35.56 ; D132.A12 114.3,34.75 ; D132.A12 113.49,35.56 ; 324.31,353.06 D114.A10 ; D114.A10 325.12,352.25 ; D114.A10 325.93,353.06 ; D114.A10 325.12,353.87 ; 324.31,60.96 D103.B8 ; D103.B8 325.12,61.77 ; D103.B8 325.12,60.15 ; D103.B8 325.93,60.96 ; D107.B11 406.4,59.23 ; D107.B11 405.59,58.42 ; D107.B11 407.21,58.42 ; D107.B11 406.4,57.61 ; 337.82,395.43 D116.A5 ; D116.A5 337.82,397.05 ; D116.A5 337.01,396.24 ; D116.A5 338.63,396.24 ; 481.65,228.55 UNK2U1.4 ; UNK2U1.4 482.59,227.61 ; UNK2U1.4 482.59,229.49 ; UNK2U1.4 483.53,228.55 ; D115.B15 312.42,371.65 ; D115.B15 313.23,370.84 ; D115.B15 312.42,370.03 ; D115.B15 311.61,370.84 ; D431.B14 168.45,378.46 ; D431.B14 167.64,379.27 ; D431.B14 166.83,378.46 ; D431.B14 167.64,377.65 ; D104.A14 341.17,35.56 ; D104.A14 339.55,35.56 ; D104.A14 340.36,36.37 ; D104.A14 340.36,34.75 ; 388.62,326.85 D109.B14 ; D109.B14 388.62,328.47 ; D109.B14 387.81,327.66 ; D109.B14 389.43,327.66 ; D322.A1 233.68,64.21 ; D322.A1 233.68,62.79 ; D322.A1 232.97,63.5 ; D322.A1 234.39,63.5 ; 164.29,340.36 CSDPS429.C15 ; CSDPS429.C15 165.91,340.36 ; CSDPS429.C15 165.1,341.17 ; CSDPS429.C15 165.1,339.55 ; 311.71,88.9 D301.B3 ; D301.B3 313.13,88.9 ; D301.B3 312.42,89.61 ; D301.B3 312.42,88.19 ; D301.A4 314.96,87.07 ; D301.A4 314.25,86.36 ; D301.A4 314.96,85.65 ; D301.A4 315.67,86.36 ; D132.A14 120.19,35.56 ; D132.A14 119.38,36.37 ; D132.A14 119.38,34.75 ; D132.A14 118.57,35.56 ; 309.88,70.41 D302.B2 ; D302.B2 310.59,71.12 ; D302.B2 309.88,71.83 ; D302.B2 309.17,71.12 ; 314.15,388.62 D116.B14 ; D116.B14 315.77,388.62 ; D116.B14 314.96,389.43 ; D116.B14 314.96,387.81 ; 199.85,340.36 CSDPS429.C1 ; CSDPS429.C1 200.66,341.17 ; CSDPS429.C1 201.47,340.36 ; CSDPS429.C1 200.66,339.55 ; 410.67,355.6 D110.A5 ; D110.A5 412.29,355.6 ; D110.A5 411.48,356.41 ; D110.A5 411.48,354.79 ; D127.A8 30.48,56.69 ; D127.A8 30.48,55.07 ; D127.A8 31.29,55.88 ; D127.A8 29.67,55.88 ; SITE2.G5 332.33,241.81 ; SITE2.G5 332.33,240.85 ; SITE2.G5 332.81,241.33 ; SITE2.G5 331.85,241.33 ; D110.A2 419.1,353.87 ; D110.A2 419.1,352.25 ; D110.A2 418.29,353.06 ; D110.A2 419.91,353.06 ; 159.21,38.1 D120.B1 ; D120.B1 160.83,38.1 ; D120.B1 160.02,37.29 ; D120.B1 160.02,38.91 ; D111.B4 414.02,369.11 ; D111.B4 413.21,368.3 ; D111.B4 414.02,367.49 ; D111.B4 414.83,368.3 ; D122.B13 264.97,78.74 ; D122.B13 264.16,79.55 ; D122.B13 264.16,77.93 ; D122.B13 263.35,78.74 ; D113.A6 335.28,333.55 ; D113.A6 335.28,331.93 ; D113.A6 336.09,332.74 ; D113.A6 334.47,332.74 ; CSDPS425.B10 252.27,342.9 ; CSDPS425.B10 251.46,343.71 ; CSDPS425.B10 250.65,342.9 ; CSDPS425.B10 251.46,342.09 ; D123.B8 251.46,61.77 ; D123.B8 252.27,60.96 ; D123.B8 250.65,60.96 ; D123.B8 251.46,60.15 ; 320.04,347.17 D114.B12 ; D114.B12 319.23,347.98 ; D114.B12 320.85,347.98 ; D114.B12 320.04,348.79 ; 123.65,55.88 D131.A16 ; D131.A16 124.46,55.07 ; D131.A16 124.46,56.69 ; D131.A16 125.27,55.88 ; D301.B15 343.61,88.9 ; D301.B15 342.19,88.9 ; D301.B15 342.9,89.61 ; D301.B15 342.9,88.19 ; 199.85,330.2 CSDPS229.C1 ; CSDPS229.C1 200.66,331.01 ; CSDPS229.C1 200.66,329.39 ; CSDPS229.C1 201.47,330.2 ; D108.B6 393.7,41.45 ; D108.B6 393.7,39.83 ; D108.B6 394.51,40.64 ; D108.B6 392.89,40.64 ; 17.78,57.61 D127.B3 ; D127.B3 18.59,58.42 ; D127.B3 16.97,58.42 ; D127.B3 17.78,59.23 ; D126.A9 33.02,74.47 ; D126.A9 32.21,73.66 ; D126.A9 33.83,73.66 ; D126.A9 33.02,72.85 ; 252.33,240.85 SITE1.G5 ; SITE1.G5 252.81,241.33 ; SITE1.G5 251.85,241.33 ; SITE1.G5 252.33,241.81 ; D231.B7 185.42,371.65 ; D231.B7 186.23,370.84 ; D231.B7 184.61,370.84 ; D231.B7 185.42,370.03 ; D302.B3 312.42,69.29 ; D302.B3 312.42,67.87 ; D302.B3 311.71,68.58 ; D302.B3 313.13,68.58 ; CSDPS425.C1 274.32,341.17 ; CSDPS425.C1 273.51,340.36 ; CSDPS425.C1 274.32,339.55 ; CSDPS425.C1 275.13,340.36 ; D113.B10 325.12,328.47 ; D113.B10 324.31,327.66 ; D113.B10 325.12,326.85 ; D113.B10 325.93,327.66 ; SITE1.G6 253.81,241.33 ; SITE1.G6 253.33,240.85 ; SITE1.G6 252.85,241.33 ; SITE1.G6 253.33,241.81 ; 329.49,91.44 D301.B10 ; D301.B10 330.2,90.73 ; D301.B10 330.2,92.15 ; D301.B10 330.91,91.44 ; D321.B2 236.22,92.15 ; D321.B2 235.51,91.44 ; D321.B2 236.93,91.44 ; D321.B2 236.22,90.73 ; D119.A11 185.42,54.15 ; D119.A11 186.23,53.34 ; D119.A11 184.61,53.34 ; D119.A11 185.42,52.53 ; D102.B12 336.09,81.28 ; D102.B12 335.28,80.47 ; D102.B12 335.28,82.09 ; D102.B12 334.47,81.28 ; D110.A6 408.94,353.87 ; D110.A6 408.13,353.06 ; D110.A6 408.94,352.25 ; D110.A6 409.75,353.06 ; D120.B8 177.8,41.45 ; D120.B8 177.8,39.83 ; D120.B8 178.61,40.64 ; D120.B8 176.99,40.64